# Altium PCB Lighting_Control_Board.PcbDoc (part 1 of 2) (continued)
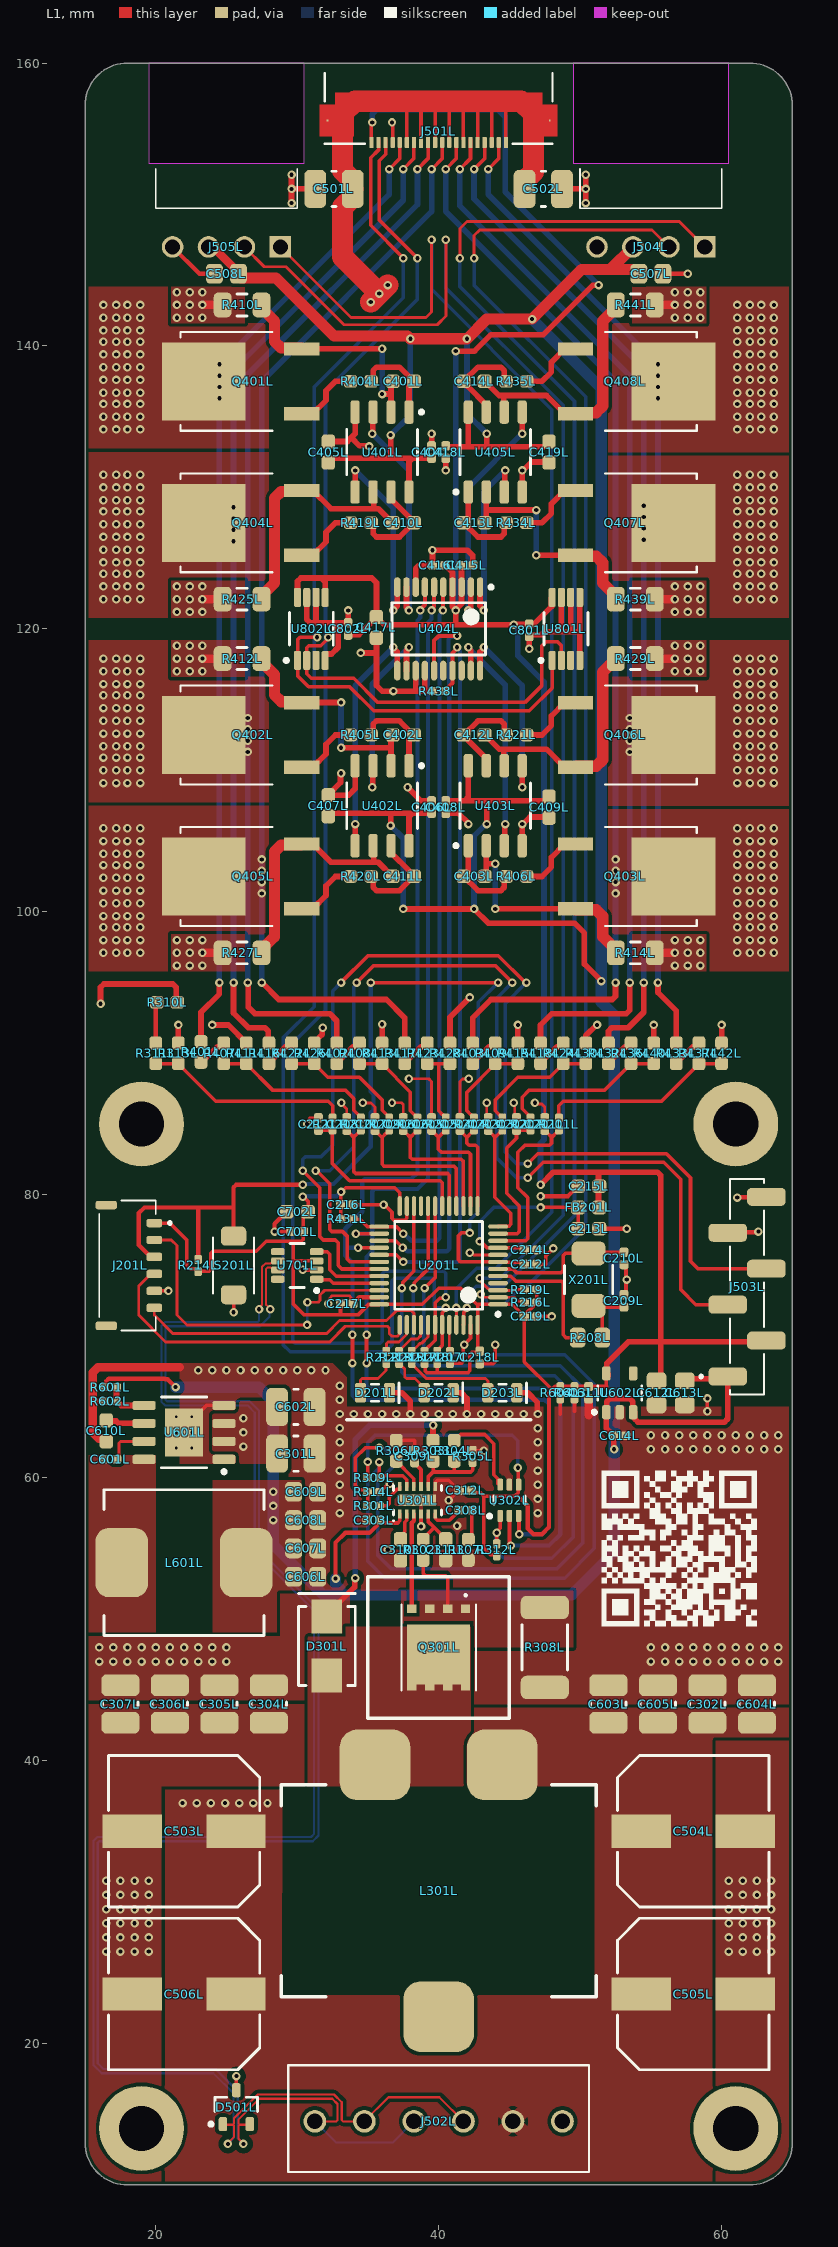
[diagram p0: L1 view]
## Components (designator, comment, footprint, x,y, rotation, side; value= is the part's Value field where it differs from the comment) (continued)
R424L "75k_Res" "0603 Resistor" 48.8,90 r90 top value=75k
R425L "1_Res" "1206 RESISTOR" 26.1,122.1 r0 top locked value=1
R426L "75k_Res" "0603 Resistor" 31.2,90 r270 top value=75k
R427L "1_Res" "1206 RESISTOR" 26.1,97.1 r0 top locked value=1
R428L "75k_Res" "0603 Resistor" 40.8,90 r270 top value=75k
R429L "1_Res" "1206 RESISTOR" 53.9,117.9 r180 top locked value=1
R430L "75k_Res" "0603 Resistor" 50.4,90 r270 top value=75k
R431L "10k Res" "0402 Resistor" 33.5,78.3 r180 top value=10K
R432L "75k_Res" "0603 Resistor" 52,90 r90 top value=75k
R433L "75k_Res" "0603 Resistor" 56.8,90 r90 top value=75k
R434L "47_Res" "0603 RESISTOR" 45.5,127.5 r0 top locked value=47
R435L "47_Res" "0603 RESISTOR" 45.5,137.5 r0 top locked value=47
R436L "75k_Res" "0603 Resistor" 53.6,90 r90 top value=75k
R437L "75k_Res" "0603 Resistor" 58.4,90 r90 top value=75k
R438L "10k Res" "0402 RESISTOR" 40,115.6 r0 top locked value=10K
R439L "1_Res" "1206 RESISTOR" 53.9,122.1 r180 top locked value=1
R440L "75k_Res" "0603 Resistor" 55.2,90 r270 top value=75k
R441L "1_Res" "1206 RESISTOR" 53.9,142.9 r180 top locked value=1
R442L "75k_Res" "0603 Resistor" 60,90 r270 top value=75k
R601L "10k Res" "0402 RESISTOR" 16.8,66.4 r180 top value=10K
R602L "2.49k Res" "0402 RESISTOR" 16.8,65.4 r0 top value=2.49K
R603L "1k Res" "0402 Resistor" 49.6,66 r90 top value=1k
R604L "1k Res" "0402 Resistor" 48.6,66 r90 top value=1k
S201L "TS-1088-AR02016" "TS-1088-AR02016 PUSHBUTTON" 25.5,75 r270 top
U201L "STM32F103C8T6" "LQFP48 (STM32F103C8T6)" 40,75 r180 top locked
U301L "LM5155DSSR" "WSON12 (LM5155DSSR)" 38.5,58.4 r90 top
U302L "DAC7311IDCKR" "SOT-363-6 (DAC7311IDCKR)" 45,58.4 r90 top
U401L "OPA2188AIDR" "SOIC8 (OPA2188AIDR)" 36,132.5 r270 top locked
U402L "OPA2188AIDR" "SOIC8 (OPA2188AIDR)" 36,107.5 r270 top locked
U403L "OPA2188AIDR" "SOIC8 (OPA2188AIDR)" 44,107.5 r90 top locked
U404L "AD5672RBRUZ" "TSOP20 (AD5672RBRUZ)" 40,120 r270 top locked
U405L "OPA2188AIDR" "SOIC8 (OPA2188AIDR)" 44,132.5 r90 top locked
U601L "LMR36520FADDAR" "SOIC8 WITH THERMAL PAD" 22,63.2 r180 top
U602L "TLV75733PDBVR" SOT23-5 52.8,66 r90 top
U701L "TCAN332" SOT23-8 30,75 r180 top
U801L "LM75BIMMX-3/NOPB" "VSSOP8 (LM75BIMMX-3/NOPB)" 49,120 r90 top
U802L "LM75BIMMX-3/NOPB" "VSSOP8 (LM75BIMMX-3/NOPB)" 31,120 r90 top
X201L "X50328MSB2GI" "5X3.2X1.2MM CRYSTAL" 50.6,74 r90 top

## Footprints (in the part's own frame and the unit in brackets; to place one, negate y for a bottom-side part, rotate by r counter-clockwise, add the part's x,y. Pads: shape width x height; smd on the part's side, far side on the other; paste and mask are expansions set on the pad)
"5X3.2X1.2MM CRYSTAL" [mm]
  rrect50% 1.7x2.4 smd: 1(-1.85,0) 2(1.85,0)
  silkscreen extent -1,-1.7 1,1.7, body extent -2.5,-1.6 2.5,1.6, height 0.8
"6 PIN SWD CONNECTOR" [mm]
  rrect50% 0.6x1.1 smd: 1(-3,1.9) 2(-1.8,1.9) 3(-0.6,1.9) 4(0.6,1.9) 5(1.8,1.9) 6(3,1.9)
  rrect50% 0.6x1.5 smd: MP1(-4.27,-1.5) MP2(4.27,-1.5)
  silkscreen extent -4.6,-2 4.6,3.1, body extent -4.6,-2 4.6,2.2, height 2.5
"8X10 CAPACITOR (UUX2A220MNL6GS)" [mm] "Aluminum Electrolytic Capacitor, Body 8.30x8.30x10.50mm, IPC Low Density"
  rect 4.2x2.35 smd: 1(-3.675,0) 2(3.675,0)
  silkscreen extent -5.35,-5.35 5.35,5.35, body extent -5.45,-5.15 5.45,5.15, height 10.3
"11X10MM INDUCTOR" [mm] "Precision Wire Wound Inductor, 2-Leads, Body 11.00x10.00mm, IPC Medium Density"
  rrect50% 3.7x4.9 smd: 1(-4.4,0) 2(4.4,0)
  silkscreen extent -5.65,-5.15 5.65,5.15, body extent -5.5,-5 5.5,5, height 5.4
"0402 CAPACITOR" [mm] "Chip Capacitor, 2-Leads, Body 1.00x0.50mm, IPC Medium Density"
  rrect50% 0.66x0.62 smd: 1(-0.44,0) 2(0.44,0)
  body extent -0.5,-0.25 0.5,0.25, height 0.5
"0402 Capacitor" [mm] "Chip Capacitor, 2-Leads, Body 1.00x0.50mm, IPC Medium Density"
  rrect50% 0.66x0.62 smd: 1(-0.44,0) 2(0.44,0)
  body extent -0.5,-0.25 0.5,0.25, height 0.5
"0402 RESISTOR" [mm] "Chip Resistor, 2-Leads, Body 1.00x0.50mm, IPC Medium Density"
  rrect50% 0.65x0.55 smd: 1(-0.425,0) 2(0.425,0)
  body extent -0.5,-0.25 0.5,0.25, height 0.35
"0402 Resistor" [mm] "Chip Resistor, 2-Leads, Body 1.00x0.50mm, IPC Medium Density"
  rrect50% 0.65x0.55 smd: 1(-0.425,0) 2(0.425,0)
  body extent -0.5,-0.25 0.5,0.25, height 0.35
"0603 CAPACITOR" [mm] "Chip Capacitor, 2-Leads, Body 1.60x0.80mm, IPC Medium Density"
  rrect50% 1x0.95 smd: 1(-0.75,0) 2(0.75,0)
  body extent -0.8,-0.4 0.8,0.4, height 0.8
"0603 FERRITE BEAD" [mm] "Chip Ferrite Bead, 2-Leads, Body 1.60x0.80mm, IPC Medium Density"
  rrect50% 1.02x0.98 smd: 1(-0.74,0) 2(0.74,0)
  body extent -0.8,-0.4 0.8,0.4, height 0.8
"0603 RESISTOR" [mm] "Chip Resistor, 2-Leads, Body 1.60x0.80mm, IPC Medium Density"
  rrect50% 0.95x0.9 smd: 1(-0.725,0) 2(0.725,0)
  body extent -0.8,-0.4 0.8,0.4, height 0.45
"0603 Resistor" [mm] "Chip Resistor, 2-Leads, Body 1.60x0.80mm, IPC Medium Density"
  rrect50% 0.95x0.9 smd: 1(-0.725,0) 2(0.725,0)
  body extent -0.8,-0.4 0.8,0.4, height 0.45
"0805 CAPACITOR" [mm] "Chip Capacitor, 2-Leads, Body 2.00x1.25mm, IPC Medium Density"
  rrect50% 1.2x1.4 smd: 1(-0.85,0) 2(0.85,0)
  body extent -1,-0.63 1,0.63, height 1.25
"0805 Capacitor" [mm] "Chip Capacitor, 2-Leads, Body 2.00x1.25mm, IPC Medium Density"
  rrect50% 1.2x1.4 smd: 1(-0.85,0) 2(0.85,0)
  body extent -1,-0.63 1,0.63, height 1.25
"0805 LED" [mm] "Chip LED. 2-Leads, Body 2.00x1.25mm, IPC Medium Density"
  rrect50% 0.8x1.4 smd: 1(-1.025,0) 2(1.025,0)
  silkscreen extent -0.25,-0.7 1.7,0.7, body extent -1,-0.63 1,0.63, height 0.78
"0805 RESISTOR" [mm] "Chip Resistor, 2-Leads, Body 2.00x1.25mm, IPC Medium Density"
  rrect50% 1.1x1.4 smd: 1(-0.875,0) 2(0.875,0)
  body extent -1,-0.63 1,0.63, height 0.5
"1206 RESISTOR" [mm] "Chip Resistor, 2-Leads, Body 3.10x1.60mm, IPC Medium Density"
  rrect50% 1.25x1.75 smd: 1(-1.375,0) 2(1.375,0)
  silkscreen extent -0.35,-0.77 0.35,0.77, body extent -1.6,-0.8 1.6,0.8, height 0.62
"1210 CAPACITOR" [mm] "Chip Capacitor, 2-Leads, Body 3.20x2.50mm, IPC Medium Density"
  rrect50% 1.55x2.7 smd: 1(-1.325,0) 2(1.325,0)
  silkscreen extent -0.15,-1.25 0.15,1.25, body extent -1.6,-1.25 1.6,1.25, height 1.9
"2512 RESISTOR" [mm] "Chip Resistor, 2-Leads, Body 6.40x3.20mm, IPC Medium Density"
  rrect50% 1.65x3.4 smd: 1(-2.825,0) 2(2.825,0)
  silkscreen extent -1.6,-1.6 1.6,1.6, body extent -3.15,-1.6 3.15,1.6, height 0.66
95293-401A06LF [mm]
  rrect50% 1.27x2.73 smd: 1(-6.35,1.365) 2(-3.81,-1.365) 3(-1.27,1.365) 4(1.27,-1.365) 5(3.81,1.365) 6(6.35,-1.365)
  silkscreen extent -7.62,-1.2 7.62,3.35, body extent -7.62,-2.41 7.62,2.41, height 9.65
22053041 [mil]
  rect 60x60 / inner round 60 / far side rect 60x60 hole 42.13 mask+4.02: 1(-150,0)
  round 60 hole 42.13 mask+4.02: 2(-50,0) 3(50,0) 4(150,0)
  silkscreen extent -197,-217 197,-107, body extent -197,-496 197,13, height 251
0393570006 [mil]
  round 63 hole 43 paste-99999 mask+0: 1(0,0) 2(137.8,0) 3(275.59,0) 4(413.39,0) 5(551.18,0) 6(688.98,0)
  silkscreen extent -74,-141 763,156, body extent -70,-136 760,151, height 335
"527452097 20 PIN FPC" [mm]
  rrect50% 0.3x0.8 smd: 1(-4.75,4.868) 2(-4.25,4.868) 3(-3.75,4.868) 4(-3.25,4.868) 5(-2.75,4.868) 6(-2.25,4.868) 7(-1.75,4.868) 8(-1.25,4.868) 9(-0.75,4.868) 10(-0.25,4.868) 11(0.25,4.868) 12(0.75,4.868) 13(1.25,4.868) 14(1.75,4.868) 15(2.25,4.868) 16(2.75,4.868) 17(3.25,4.868) 18(3.75,4.868) 19(4.25,4.868) 20(4.75,4.868)
  rect 0.127x0.127 smd: P1(-7.85,3.313) P2(7.85,3.313)
  L1 region: 8.396,2.208 7.304,2.208 7.304,1.368 6.009,1.368 6.009,4.418 8.396,4.418
  L1 region: -6.008,1.368 -7.304,1.368 -7.304,2.208 -8.396,2.208 -8.396,4.418 -6.008,4.418
  silkscreen extent -8.05,-0.02 8.05,4.96, body extent -8.05,-0.11 8.05,4.89, height 1.91
"7443632200 Inductor" [mm]
  rrect50% 5x5 smd: 1(-4.5,-8.9) 2(4.5,-8.9) 3(0,8.9)
  silkscreen extent -11.13,-7.5 11.12,7.5, body extent -10.75,-10.6 10.75,10.4, height 14
CSD19531Q5A [mm]
  rect 0.63x0.65 smd paste-0.1 mask-0.33: 1(-2.735,1.905) 2(-2.735,0.635) 3(-2.735,-0.635) 4(-2.735,-1.905) 5(2.735,-1.905) 6(2.735,-0.635) 7(2.735,0.635) 8(2.735,1.905)
  rect 4.26x4.46 smd paste-0.1 mask-0.33: 8(0.508,0)
  silkscreen extent -3.76,-2.63 3.03,2.63, body extent -3,-2.55 3,2.55, height 1.05
"DPAK_TO_252AA (IRLR3410TRPBF)" [mil]
  rect 37x98 smd paste+0 mask+0: 1(-90,-209.5) 3(90,-209.5)
  rect 217x233 smd paste+0 mask+0: 2(0,63)
  silkscreen extent -138,-128 138,128, body extent -133,-244 133,166, height 94
"LQFP48 (STM32F103C8T6)" [mm] "TSQFP, 48-Leads, Body 7.00x7.00mm, Pitch 0.50mm, IPC Medium Density"
  oval 1.4x0.3 smd: 1(-4.2,2.75) 2(-4.2,2.25) 3(-4.2,1.75) 4(-4.2,1.25) 5(-4.2,0.75) 6(-4.2,0.25) 7(-4.2,-0.25) 8(-4.2,-0.75) 9(-4.2,-1.25) 10(-4.2,-1.75) 11(-4.2,-2.25) 12(-4.2,-2.75) 25(4.2,-2.75) 26(4.2,-2.25) 27(4.2,-1.75) 28(4.2,-1.25) 29(4.2,-0.75) 30(4.2,-0.25) 31(4.2,0.25) 32(4.2,0.75) 33(4.2,1.25) 34(4.2,1.75) 35(4.2,2.25) 36(4.2,2.75)
  oval 0.3x1.4 smd: 13(-2.75,-4.2) 14(-2.25,-4.2) 15(-1.75,-4.2) 16(-1.25,-4.2) 17(-0.75,-4.2) 18(-0.25,-4.2) 19(0.25,-4.2) 20(0.75,-4.2) 21(1.25,-4.2) 22(1.75,-4.2) 23(2.25,-4.2) 24(2.75,-4.2) 37(2.75,4.2) 38(2.25,4.2) 39(1.75,4.2) 40(1.25,4.2) 41(0.75,4.2) 42(0.25,4.2) 43(-0.25,4.2) 44(-0.75,4.2) 45(-1.25,4.2) 46(-1.75,4.2) 47(-2.25,4.2) 48(-2.75,4.2)
  silkscreen extent -4.33,-3.1 3.1,3.57, body extent -4.6,-4.6 4.6,4.6, height 1.6
"SMB DIODE (STPS3150U)" [mm] "Molded Diode, 2-Leads, Body 5.35x3.63mm, IPC Medium Density"
  rect 2.4x2.15 smd: 1(-2.1,0) 2(2.1,0)
  silkscreen extent -3.7,-2 2.8,2, body extent -2.68,-1.81 2.68,1.81, height 2.65
"SOIC8 (OPA2188AIDR)" [mm] "SOIC, 8-Leads, Body 4.90x3.90mm, Pitch 1.27mm IPC Low Density"
  rrect50% 1.65x0.65 smd: 1(-2.825,1.905) 2(-2.825,0.635) 3(-2.825,-0.635) 4(-2.825,-1.905) 5(2.825,-1.905) 6(2.825,-0.635) 7(2.825,0.635) 8(2.825,1.905)
  silkscreen extent -2.95,-2.5 1.6,2.91, body extent -3.01,-2.45 3.01,2.45, height 1.7
"SOIC8 WITH THERMAL PAD" [mm] "SOIC, 8-Leads, Body 4.90x3.90mm, Pitch 1.27mm, Thermal Pad 3.40x2.71mm, IPC Low Density"
  rrect50% 1.65x0.65 smd: 1(-2.825,1.905) 2(-2.825,0.635) 3(-2.825,-0.635) 4(-2.825,-1.905) 5(2.825,-1.905) 6(2.825,-0.635) 7(2.825,0.635) 8(2.825,1.905)
  rect 2.71x3.4 smd: 9(0,0)
  silkscreen extent -2.95,-2.5 1.6,2.9, body extent -3.01,-2.45 3.01,2.45, height 1.7
SOT23-3 [mm] "SOT23, 3-Leads, Body 2.00x2.10mm, Pitch 0.65mm, IPC Medium Density"
  rrect50% 1x0.6 smd: 1(-1.2,0.95) 2(-1.2,-0.95) 3(1.2,0)
  silkscreen extent -1.32,-1.5 0.7,1.92, body extent -1.25,-1.5 1.25,1.5, height 1.1
SOT23-5 [mm] "SOT23, 5-Leads, Body 2.90x2.80mm, Pitch 0.95mm, IPC Medium Density"
  rrect50% 1x0.6 smd: 1(-1.375,0.95) 2(-1.375,0) 3(-1.375,-0.95) 4(1.375,-0.95) 5(1.375,0.95)
  silkscreen extent -1.5,-1.55 0.5,1.92, body extent -1.25,-1.5 1.25,1.5, height 1.1
SOT23-8 [mm]
  rrect50% 0.95x0.5 smd mask+0.102: 1(-1.375,0.975) 2(-1.375,0.325) 3(-1.375,-0.325) 4(-1.375,-0.975) 5(1.375,-0.975) 6(1.375,-0.325) 7(1.375,0.325) 8(1.375,0.975)
  silkscreen extent -1.5,-1.55 0.5,1.9, body extent -1.25,-1.5 1.25,1.5, height 1.1
"SOT-363-6 (DAC7311IDCKR)" [mm] "SOT23, 6-Leads, Body 2.00x2.10mm, Pitch 0.65mm, IPC Medium Density"
  rrect50% 0.85x0.4 smd: 1(-1.1,0.65) 2(-1.1,0) 3(-1.1,-0.65) 4(1.1,-0.65) 5(1.1,0) 6(1.1,0.65)
  silkscreen extent -1.25,-1.1 0.3,1.52, body extent -1.05,-1 1.05,1, height 1.1
"TS-1088-AR02016 PUSHBUTTON" [mm]
  rrect50% 1.35x1.8 smd: 1(-2.075,0) 2(2.075,0)
  silkscreen extent -2,-1.45 2,1.45, body extent -2.4,-1.45 2.4,1.45, height 2
"TSOP20 (AD5672RBRUZ)" [mm] "TSOP, 20-Leads, Body 6.50x4.40mm, Pitch 0.65mm, IPC Medium Density"
  oval 1.4x0.45 smd: 1(-2.95,2.925) 2(-2.95,2.275) 3(-2.95,1.625) 4(-2.95,0.975) 5(-2.95,0.325) 6(-2.95,-0.325) 7(-2.95,-0.975) 8(-2.95,-1.625) 9(-2.95,-2.275) 10(-2.95,-2.925) 11(2.95,-2.925) 12(2.95,-2.275) 13(2.95,-1.625) 14(2.95,-0.975) 15(2.95,-0.325) 16(2.95,0.325) 17(2.95,0.975) 18(2.95,1.625) 19(2.95,2.275) 20(2.95,2.925)
  silkscreen extent -3.07,-3.3 1.85,3.83, body extent -3.2,-3.3 3.2,3.3, height 1.2
"VSSOP8 (LM75BIMMX-3/NOPB)" [mm] "TSOP, 8-Leads, Body 3.00x3.00mm, Pitch 0.65mm, IPC Medium Density"
  rrect50% 1.35x0.5 smd mask+0.102: 1(-2.225,0.975) 2(-2.225,0.325) 3(-2.225,-0.325) 4(-2.225,-0.975) 5(2.225,-0.975) 6(2.225,-0.325) 7(2.225,0.325) 8(2.225,0.975)
  silkscreen extent -2.35,-1.55 1.15,1.9, body extent -2.45,-1.5 2.45,1.5, height 1.1
"WSON12 (LM5155DSSR)" [mm] "SON, 12-Leads, Body 3.00x2.00mm, Pitch 0.50mm, Thermal Pad 2.65x0.79mm, IPC Medium Density"
  rect 0.65x0.25 smd: 1(-0.97,1.25) 2(-0.97,0.75) 3(-0.97,0.25) 4(-0.97,-0.25) 5(-0.97,-0.75) 6(-0.97,-1.25) 7(0.97,-1.25) 8(0.97,-0.75) 9(0.97,-0.25) 10(0.97,0.25) 11(0.97,0.75) 12(0.97,1.25)
  rect 0.79x2.65 smd: 13(0,0)
  silkscreen extent -1.5,-1.7 1.05,1.75, body extent -1,-1.5 1,1.5, height 0.8

## Part data
C201L C202L C203L C204L C205L C206L C207L C208L C211L C212L C214L C216L C217L C218L C219L C303L C308L C309L C312L C404L C406L C408L C415L C416L C418L C601L C611L C614L C701L C801L C802L: "16V 100nF X7R ±10% 0402 Multilayer Ceramic Capacitors MLCC - SMD/SMT ROHS", Manufacturer="Samsung Electro-Mechanics", Manufacturer Part Number=CL05B104KO5NNNC, Supplier Part Number=C1525, ComponentLink1Description=https://datasheet.octopart.com:443/CL05B104KO5NNNC-Samsung-Electro-Mechanics-datasheet-181960518.pdf?src-supplier=IHS, ComponentLink1URL=https://datasheet.octopart.com:443/CL05B104KO5NNNC-Samsung-Electro-Mechanics-datasheet-181960518.pdf?src-supplier=IHS, ComponentLink2Description=https://datasheet.octopart.com:443/CL05B104KO5NNNC-Samsung-Electro-Mechanics-datasheet-81461623.pdf?src-supplier=Upverter, ComponentLink2URL=https://datasheet.octopart.com:443/CL05B104KO5NNNC-Samsung-Electro-Mechanics-datasheet-81461623.pdf?src-supplier=Upverter, ComponentLink3Description=https://datasheet.octopart.com/CL05B104KO5NNNC-Samsung-Electro-Mechanics-datasheet-8324245.pdf, ComponentLink3URL=https://datasheet.octopart.com/CL05B104KO5NNNC-Samsung-Electro-Mechanics-datasheet-8324245.pdf, ComponentLink4Description=https://datasheet.octopart.com/CL05B104KO5NNNC-Samsung-Electro-Mechanics-datasheet-97040617.pdf, ComponentLink4URL=https://datasheet.octopart.com/CL05B104KO5NNNC-Samsung-Electro-Mechanics-datasheet-97040617.pdf, ComponentLink5Description=https://datasheet.octopart.com/General-Multilayer-Ceramic-Capacitors-Samsung-datasheet-family-111.pdf, ComponentLink5URL=https://datasheet.octopart.com/General-Multilayer-Ceramic-Capacitors-Samsung-datasheet-family-111.pdf, ComponentLink6Description=https://datasheet.octopart.com:443/CL05B104KO5NNNC-Samsung-Electro-Mechanics-datasheet-141346863.pdf?src-supplier=Samsung+SCT, ComponentLink6URL=https://datasheet.octopart.com:443/CL05B104KO5NNNC-Samsung-Electro-Mechanics-datasheet-141346863.pdf?src-supplier=Samsung+SCT, ComponentLink7Description=https://datasheet.octopart.com:443/CL05B104KO5NNNC-Samsung-datasheet-151956582.pdf?src-supplier=SOS+electronic, ComponentLink7URL=https://datasheet.octopart.com:443/CL05B104KO5NNNC-Samsung-datasheet-151956582.pdf?src-supplier=SOS+electronic, ComponentLink8Description=https://datasheet.octopart.com:443/CL05B104KO5NNNC-Samsung-datasheet-42485123.pdf?src-supplier=Future+Electronics, ComponentLink8URL=https://datasheet.octopart.com:443/CL05B104KO5NNNC-Samsung-datasheet-42485123.pdf?src-supplier=Future+Electronics, ComponentLink9Description=https://datasheet.octopart.com:443/CL05B104KO5NNNC-Samsung-datasheet-34153835.pdf?src-supplier=Future+Electronics, ComponentLink9URL=https://datasheet.octopart.com:443/CL05B104KO5NNNC-Samsung-datasheet-34153835.pdf?src-supplier=Future+Electronics, ComponentLink10Description=https://datasheet.octopart.com:443/CL05B104KO5NNNC-Samsung-datasheet-26589024.pdf?src-supplier=Future+Electronics, ComponentLink10URL=https://datasheet.octopart.com:443/CL05B104KO5NNNC-Samsung-datasheet-26589024.pdf?src-supplier=Future+Electronics, ComponentLink11Description=https://datasheet.octopart.com:443/CL05B104KO5NNNC-Samsung-Electro-Mechanics-datasheet-149136714.pdf?src-supplier=Future+Electronics, ComponentLink11URL=https://datasheet.octopart.com:443/CL05B104KO5NNNC-Samsung-Electro-Mechanics-datasheet-149136714.pdf?src-supplier=Future+Electronics, ComponentLink12Description=https://datasheet.octopart.com:443/CL05B104KO5NNNC-Samsung-datasheet-59220082.pdf?src-supplier=TME, ComponentLink12URL=https://datasheet.octopart.com:443/CL05B104KO5NNNC-Samsung-datasheet-59220082.pdf?src-supplier=TME, ComponentLink13Description=http://sigma.octopart.com:80/rohs_certificate/General-Multilayer-Ceramic-Capacitors-Samsung-family-110.pdf?src-supplier=Compliance+Statements, ComponentLink13URL=http://sigma.octopart.com:80/rohs_certificate/General-Multilayer-Ceramic-Capacitors-Samsung-family-110.pdf?src-supplier=Compliance+Statements, ComponentLink14Description=http://sigma.octopart.com:80/rohs_statement/General-Multilayer-Ceramic-Capacitors-Samsung-family-132.pdf?src-supplier=Compliance+Statements, ComponentLink14URL=http://sigma.octopart.com:80/rohs_statement/General-Multilayer-Ceramic-Capacitors-Samsung-family-132.pdf?src-supplier=Compliance+Statements, ComponentLink15Description=http://sigma.octopart.com:80/reach_statement/General-Multilayer-Ceramic-Capacitors-Samsung-family-133.pdf?src-supplier=Compliance+Statements, ComponentLink15URL=http://sigma.octopart.com:80/reach_statement/General-Multilayer-Ceramic-Capacitors-Samsung-family-133.pdf?src-supplier=Compliance+Statements, Supplier=LCSC
C209L C210L: "50V 10pF C0G ±5% 0402 Multilayer Ceramic Capacitors MLCC - SMD/SMT ROHS", Manufacturer="Samsung Electro-Mechanics", Manufacturer Part Number=CL10C100JB8NNNC, Supplier Part Number=C1634, ComponentLink1Description=https://datasheet.octopart.com:443/CL10C100JB8NNNC-Samsung-Electro-Mechanics-datasheet-136482388.pdf?src-supplier=IHS, ComponentLink1URL=https://datasheet.octopart.com:443/CL10C100JB8NNNC-Samsung-Electro-Mechanics-datasheet-136482388.pdf?src-supplier=IHS, ComponentLink2Description=https://datasheet.octopart.com/CL10C100JB8NNNC-Samsung-Electro-Mechanics-datasheet-8324245.pdf, ComponentLink2URL=https://datasheet.octopart.com/CL10C100JB8NNNC-Samsung-Electro-Mechanics-datasheet-8324245.pdf, ComponentLink3Description=https://datasheet.octopart.com/CL10C100JB8NNNC-Samsung-Electro-Mechanics-datasheet-97040617.pdf, ComponentLink3URL=https://datasheet.octopart.com/CL10C100JB8NNNC-Samsung-Electro-Mechanics-datasheet-97040617.pdf, ComponentLink4Description=https://datasheet.octopart.com:443/CL10C100JB8NNNC-Samsung-Electro-Mechanics-datasheet-110326840.pdf?src-supplier=Future+Electronics, ComponentLink4URL=https://datasheet.octopart.com:443/CL10C100JB8NNNC-Samsung-Electro-Mechanics-datasheet-110326840.pdf?src-supplier=Future+Electronics, ComponentLink5Description=https://datasheet.octopart.com:443/CL10C100JB8NNNC-Samsung-Electro-Mechanics-datasheet-81461966.pdf?src-supplier=Future+Electronics, ComponentLink5URL=https://datasheet.octopart.com:443/CL10C100JB8NNNC-Samsung-Electro-Mechanics-datasheet-81461966.pdf?src-supplier=Future+Electronics, ComponentLink6Description=https://datasheet.octopart.com:443/CL10C100JB8NNNC-Samsung-datasheet-48647327.pdf?src-supplier=Future+Electronics, ComponentLink6URL=https://datasheet.octopart.com:443/CL10C100JB8NNNC-Samsung-datasheet-48647327.pdf?src-supplier=Future+Electronics, ComponentLink7Description=https://datasheet.octopart.com:443/CL10C100JB8NNNC-Samsung-datasheet-26669107.pdf?src-supplier=Future+Electronics, ComponentLink7URL=https://datasheet.octopart.com:443/CL10C100JB8NNNC-Samsung-datasheet-26669107.pdf?src-supplier=Future+Electronics, ComponentLink8Description=https://datasheet.octopart.com:443/CL10C100JB8NNNC-Samsung-Electro-Mechanics-datasheet-149154128.pdf?src-supplier=Future+Electronics, ComponentLink8URL=https://datasheet.octopart.com:443/CL10C100JB8NNNC-Samsung-Electro-Mechanics-datasheet-149154128.pdf?src-supplier=Future+Electronics, ComponentLink9Description=https://datasheet.octopart.com:443/CL10C100JB8NNNC-Samsung-datasheet-8326407.pdf?src-supplier=TME, ComponentLink9URL=https://datasheet.octopart.com:443/CL10C100JB8NNNC-Samsung-datasheet-8326407.pdf?src-supplier=TME, ComponentLink10Description=https://datasheet.octopart.com:443/CL05C100JB5NNNC-Samsung-Electro-Mechanics-datasheet-136482242.pdf?src-supplier=IHS, ComponentLink10URL=https://datasheet.octopart.com:443/CL05C100JB5NNNC-Samsung-Electro-Mechanics-datasheet-136482242.pdf?src-supplier=IHS, ComponentLink11Description=https://datasheet.octopart.com:443/CL05C100JB5NNNC-Samsung-Electro-Mechanics-datasheet-11758155.pdf?src-supplier=Future+Electronics, ComponentLink11URL=https://datasheet.octopart.com:443/CL05C100JB5NNNC-Samsung-Electro-Mechanics-datasheet-11758155.pdf?src-supplier=Future+Electronics, ComponentLink12Description=https://datasheet.octopart.com:443/CL05C100JB5NNNC-Samsung-Electro-Mechanics-datasheet-110226242.pdf?src-supplier=Future+Electronics, ComponentLink12URL=https://datasheet.octopart.com:443/CL05C100JB5NNNC-Samsung-Electro-Mechanics-datasheet-110226242.pdf?src-supplier=Future+Electronics, ComponentLink13Description=https://datasheet.octopart.com:443/CL05C100JB5NNNC-Samsung-Electro-Mechanics-datasheet-81461703.pdf?src-supplier=Future+Electronics, ComponentLink13URL=https://datasheet.octopart.com:443/CL05C100JB5NNNC-Samsung-Electro-Mechanics-datasheet-81461703.pdf?src-supplier=Future+Electronics, ComponentLink14Description=https://datasheet.octopart.com:443/CL05C100JB5NNNC-Samsung-datasheet-12525757.pdf?src-supplier=Future+Electronics, ComponentLink14URL=https://datasheet.octopart.com:443/CL05C100JB5NNNC-Samsung-datasheet-12525757.pdf?src-supplier=Future+Electronics, ComponentLink15Description=https://datasheet.octopart.com:443/CL05C100JB5NNNC-Samsung-Electro-Mechanics-datasheet-149136756.pdf?src-supplier=Future+Electronics, ComponentLink15URL=https://datasheet.octopart.com:443/CL05C100JB5NNNC-Samsung-Electro-Mechanics-datasheet-149136756.pdf?src-supplier=Future+Electronics, ComponentLink16Description=https://datasheet.octopart.com:443/CL05C100JB5NNNC-Samsung-datasheet-37081328.pdf?src-supplier=Future+Electronics, ComponentLink16URL=https://datasheet.octopart.com:443/CL05C100JB5NNNC-Samsung-datasheet-37081328.pdf?src-supplier=Future+Electronics, ComponentLink17Description=https://datasheet.octopart.com/CL05C100JB5NNNC-Samsung-Electro-Mechanics-datasheet-97040617.pdf, ComponentLink17URL=https://datasheet.octopart.com/CL05C100JB5NNNC-Samsung-Electro-Mechanics-datasheet-97040617.pdf, ComponentLink18Description=https://datasheet.octopart.com/CL05C100JB5NNNC-Samsung-Electro-Mechanics-datasheet-8324245.pdf, ComponentLink18URL=https://datasheet.octopart.com/CL05C100JB5NNNC-Samsung-Electro-Mechanics-datasheet-8324245.pdf, ComponentLink19Description=https://datasheet.octopart.com:443/CL05C100JB5NNNC-Samsung-datasheet-59220082.pdf?src-supplier=TME, ComponentLink19URL=https://datasheet.octopart.com:443/CL05C100JB5NNNC-Samsung-datasheet-59220082.pdf?src-supplier=TME, Supplier=LCSC
C213L C215L C310L C405L C407L C409L C417L C419L C610L C702L: "16V 2.2uF X5R ±10% 0603 Multilayer Ceramic Capacitors MLCC - SMD/SMT ROHS", Manufacturer="Samsung Electro-Mechanics", Manufacturer Part Number=CL10A225KO8NNNC, Supplier Part Number=C23630, ComponentLink1Description=https://datasheet.octopart.com:443/CL10A225KO8NNNC-Samsung-Electro-Mechanics-datasheet-136031763.pdf?src-supplier=IHS, ComponentLink1URL=https://datasheet.octopart.com:443/CL10A225KO8NNNC-Samsung-Electro-Mechanics-datasheet-136031763.pdf?src-supplier=IHS, ComponentLink2Description=https://datasheet.octopart.com/CL10A225KO8NNNC-Samsung-Electro-Mechanics-datasheet-8324245.pdf, ComponentLink2URL=https://datasheet.octopart.com/CL10A225KO8NNNC-Samsung-Electro-Mechanics-datasheet-8324245.pdf, ComponentLink3Description=https://datasheet.octopart.com/CL10A225KO8NNNC-Samsung-Electro-Mechanics-datasheet-97040617.pdf, ComponentLink3URL=https://datasheet.octopart.com/CL10A225KO8NNNC-Samsung-Electro-Mechanics-datasheet-97040617.pdf, ComponentLink4Description=https://datasheet.octopart.com/General-Multilayer-Ceramic-Capacitors-Samsung-datasheet-family-111.pdf, ComponentLink4URL=https://datasheet.octopart.com/General-Multilayer-Ceramic-Capacitors-Samsung-datasheet-family-111.pdf, ComponentLink5Description=https://datasheet.octopart.com:443/CL10A225KO8NNNC-Samsung-Electro-Mechanics-datasheet-110326828.pdf?src-supplier=Future+Electronics, ComponentLink5URL=https://datasheet.octopart.com:443/CL10A225KO8NNNC-Samsung-Electro-Mechanics-datasheet-110326828.pdf?src-supplier=Future+Electronics, ComponentLink6Description=https://datasheet.octopart.com:443/CL10A225KO8NNNC-Samsung-Electro-Mechanics-datasheet-81461797.pdf?src-supplier=Future+Electronics, ComponentLink6URL=https://datasheet.octopart.com:443/CL10A225KO8NNNC-Samsung-Electro-Mechanics-datasheet-81461797.pdf?src-supplier=Future+Electronics, ComponentLink7Description=https://datasheet.octopart.com:443/CL10A225KO8NNNC-Samsung-datasheet-48647245.pdf?src-supplier=Future+Electronics, ComponentLink7URL=https://datasheet.octopart.com:443/CL10A225KO8NNNC-Samsung-datasheet-48647245.pdf?src-supplier=Future+Electronics, ComponentLink8Description=https://datasheet.octopart.com:443/CL10A225KO8NNNC-Samsung-datasheet-26589124.pdf?src-supplier=Future+Electronics, ComponentLink8URL=https://datasheet.octopart.com:443/CL10A225KO8NNNC-Samsung-datasheet-26589124.pdf?src-supplier=Future+Electronics, ComponentLink9Description=https://datasheet.octopart.com:443/CL10A225KO8NNNC-Samsung-Electro-Mechanics-datasheet-149156492.pdf?src-supplier=Future+Electronics, ComponentLink9URL=https://datasheet.octopart.com:443/CL10A225KO8NNNC-Samsung-Electro-Mechanics-datasheet-149156492.pdf?src-supplier=Future+Electronics, ComponentLink10Description=https://datasheet.octopart.com:443/CL10A225KO8NNNC-Samsung-Electro-Mechanics-datasheet-11768396.pdf?src-supplier=Arrow+Electronics, ComponentLink10URL=https://datasheet.octopart.com:443/CL10A225KO8NNNC-Samsung-Electro-Mechanics-datasheet-11768396.pdf?src-supplier=Arrow+Electronics, ComponentLink11Description=https://datasheet.octopart.com:443/CL10A225KO8NNNC-Samsung-datasheet-59220082.pdf?src-supplier=TME, ComponentLink11URL=https://datasheet.octopart.com:443/CL10A225KO8NNNC-Samsung-datasheet-59220082.pdf?src-supplier=TME, ComponentLink12Description=http://sigma.octopart.com:80/rohs_certificate/General-Multilayer-Ceramic-Capacitors-Samsung-family-110.pdf?src-supplier=Compliance+Statements, ComponentLink12URL=http://sigma.octopart.com:80/rohs_certificate/General-Multilayer-Ceramic-Capacitors-Samsung-family-110.pdf?src-supplier=Compliance+Statements, ComponentLink13Description=http://sigma.octopart.com:80/rohs_statement/General-Multilayer-Ceramic-Capacitors-Samsung-family-132.pdf?src-supplier=Compliance+Statements, ComponentLink13URL=http://sigma.octopart.com:80/rohs_statement/General-Multilayer-Ceramic-Capacitors-Samsung-family-132.pdf?src-supplier=Compliance+Statements, ComponentLink14Description=http://sigma.octopart.com:80/reach_statement/General-Multilayer-Ceramic-Capacitors-Samsung-family-133.pdf?src-supplier=Compliance+Statements, ComponentLink14URL=http://sigma.octopart.com:80/reach_statement/General-Multilayer-Ceramic-Capacitors-Samsung-family-133.pdf?src-supplier=Compliance+Statements, Supplier=LCSC
C301L C302L C304L C305L C306L C307L C501L C502L C602L C603L C604L C605L: "100V 10uF X7S ±10% 1210 Multilayer Ceramic Capacitors MLCC - SMD/SMT ROHS", Manufacturer=Murata, Manufacturer Part Number=GRM32EC72A106KE05L, Supplier Part Number=C576517, ComponentLink1Description=https://datasheet.octopart.com:443/GRM32EC72A106KE05L-Murata-datasheet-141281477.pdf?src-supplier=Geoflip, ComponentLink1URL=https://datasheet.octopart.com:443/GRM32EC72A106KE05L-Murata-datasheet-141281477.pdf?src-supplier=Geoflip, ComponentLink2Description=https://datasheet.octopart.com:443/GRM32EC72A106KE05L-Murata-datasheet-165579666.pdf?src-supplier=TME, ComponentLink2URL=https://datasheet.octopart.com:443/GRM32EC72A106KE05L-Murata-datasheet-165579666.pdf?src-supplier=TME, ComponentLink3Description=https://datasheet.octopart.com:443/GRM32EC72A106KE05L-Murata-datasheet-140709574.pdf?src-supplier=Ciiva, ComponentLink3URL=https://datasheet.octopart.com:443/GRM32EC72A106KE05L-Murata-datasheet-140709574.pdf?src-supplier=Ciiva, ComponentLink4Description=https://datasheet.octopart.com:443/GRM32EC72A106KE05L-Murata-datasheet-138746841.pdf?src-supplier=Ciiva, ComponentLink4URL=https://datasheet.octopart.com:443/GRM32EC72A106KE05L-Murata-datasheet-138746841.pdf?src-supplier=Ciiva, ComponentLink5Description=https://datasheet.octopart.com/GRM32EC72A106KE05L-Murata-datasheet-12515295.pdf, ComponentLink5URL=https://datasheet.octopart.com/GRM32EC72A106KE05L-Murata-datasheet-12515295.pdf, ComponentLink6Description=https://datasheet.octopart.com/GRM32EC72A106KE05L-Murata-datasheet-12510076.pdf, ComponentLink6URL=https://datasheet.octopart.com/GRM32EC72A106KE05L-Murata-datasheet-12510076.pdf, ComponentLink7Description=https://datasheet.octopart.com/GRM32EC72A106KE05L-Murata-datasheet-11978611.pdf, ComponentLink7URL=https://datasheet.octopart.com/GRM32EC72A106KE05L-Murata-datasheet-11978611.pdf, ComponentLink8Description=https://datasheet.octopart.com/GRM32EC72A106KE05L-Murata-datasheet-10025737.pdf, ComponentLink8URL=https://datasheet.octopart.com/GRM32EC72A106KE05L-Murata-datasheet-10025737.pdf, ComponentLink9Description=https://datasheet.octopart.com/GRM32EC72A106KE05L-Murata-datasheet-8819587.pdf, ComponentLink9URL=https://datasheet.octopart.com/GRM32EC72A106KE05L-Murata-datasheet-8819587.pdf, ComponentLink10Description=http://sigma.octopart.com:80/reach_statement/Murata-company-16.pdf?src-supplier=Compliance+Statements, ComponentLink10URL=http://sigma.octopart.com:80/reach_statement/Murata-company-16.pdf?src-supplier=Compliance+Statements, Supplier=LCSC
C311L C401L C402L C403L C410L C411L C412L C413L C414L: "50V 220pF X7R ±10% 0603 Multilayer Ceramic Capacitors MLCC - SMD/SMT ROHS", Manufacturer="Samsung Electro-Mechanics", Manufacturer Part Number=CL10B221KB8NNNC, Supplier Part Number=C1603, ComponentLink1Description=https://datasheet.octopart.com:443/CL10B221KB8NNNC-Samsung-Electro-Mechanics-datasheet-136482329.pdf?src-supplier=IHS, ComponentLink1URL=https://datasheet.octopart.com:443/CL10B221KB8NNNC-Samsung-Electro-Mechanics-datasheet-136482329.pdf?src-supplier=IHS, ComponentLink2Description=https://datasheet.octopart.com/CL10B221KB8NNNC-Samsung-Electro-Mechanics-datasheet-8324245.pdf, ComponentLink2URL=https://datasheet.octopart.com/CL10B221KB8NNNC-Samsung-Electro-Mechanics-datasheet-8324245.pdf, ComponentLink3Description=https://datasheet.octopart.com/CL10B221KB8NNNC-Samsung-Electro-Mechanics-datasheet-97040617.pdf, ComponentLink3URL=https://datasheet.octopart.com/CL10B221KB8NNNC-Samsung-Electro-Mechanics-datasheet-97040617.pdf, ComponentLink4Description=https://datasheet.octopart.com/General-Multilayer-Ceramic-Capacitors-Samsung-datasheet-family-111.pdf, ComponentLink4URL=https://datasheet.octopart.com/General-Multilayer-Ceramic-Capacitors-Samsung-datasheet-family-111.pdf, ComponentLink5Description=https://datasheet.octopart.com:443/CL10B221KB8NNNC-Samsung-Electro-Mechanics-datasheet-116120877.pdf?src-supplier=Future+Electronics, ComponentLink5URL=https://datasheet.octopart.com:443/CL10B221KB8NNNC-Samsung-Electro-Mechanics-datasheet-116120877.pdf?src-supplier=Future+Electronics, ComponentLink6Description=https://datasheet.octopart.com:443/CL10B221KB8NNNC-Samsung-Electro-Mechanics-datasheet-81461868.pdf?src-supplier=Future+Electronics, ComponentLink6URL=https://datasheet.octopart.com:443/CL10B221KB8NNNC-Samsung-Electro-Mechanics-datasheet-81461868.pdf?src-supplier=Future+Electronics, ComponentLink7Description=https://datasheet.octopart.com:443/CL10B221KB8NNNC-Samsung-datasheet-26669033.pdf?src-supplier=Future+Electronics, ComponentLink7URL=https://datasheet.octopart.com:443/CL10B221KB8NNNC-Samsung-datasheet-26669033.pdf?src-supplier=Future+Electronics, ComponentLink8Description=https://datasheet.octopart.com:443/CL10B221KB8NNNC-Samsung-Electro-Mechanics-datasheet-149136815.pdf?src-supplier=Future+Electronics, ComponentLink8URL=https://datasheet.octopart.com:443/CL10B221KB8NNNC-Samsung-Electro-Mechanics-datasheet-149136815.pdf?src-supplier=Future+Electronics, ComponentLink9Description=https://datasheet.octopart.com:443/CL10B221KB8NNNC-Samsung-datasheet-37081328.pdf?src-supplier=Future+Electronics, ComponentLink9URL=https://datasheet.octopart.com:443/CL10B221KB8NNNC-Samsung-datasheet-37081328.pdf?src-supplier=Future+Electronics, ComponentLink10Description=https://datasheet.octopart.com:443/CL10B221KB8NNNC-Samsung-datasheet-8326407.pdf?src-supplier=TME, ComponentLink10URL=https://datasheet.octopart.com:443/CL10B221KB8NNNC-Samsung-datasheet-8326407.pdf?src-supplier=TME, ComponentLink11Description=https://datasheet.octopart.com:443/CL10B221KB8NNNC-Samsung-Electro-Mechanics-datasheet-11541288.pdf?src-supplier=Arrow+Electronics, ComponentLink11URL=https://datasheet.octopart.com:443/CL10B221KB8NNNC-Samsung-Electro-Mechanics-datasheet-11541288.pdf?src-supplier=Arrow+Electronics, ComponentLink12Description=http://sigma.octopart.com:80/rohs_certificate/General-Multilayer-Ceramic-Capacitors-Samsung-family-110.pdf?src-supplier=Compliance+Statements, ComponentLink12URL=http://sigma.octopart.com:80/rohs_certificate/General-Multilayer-Ceramic-Capacitors-Samsung-family-110.pdf?src-supplier=Compliance+Statements, ComponentLink13Description=http://sigma.octopart.com:80/rohs_statement/General-Multilayer-Ceramic-Capacitors-Samsung-family-132.pdf?src-supplier=Compliance+Statements, ComponentLink13URL=http://sigma.octopart.com:80/rohs_statement/General-Multilayer-Ceramic-Capacitors-Samsung-family-132.pdf?src-supplier=Compliance+Statements, ComponentLink14Description=http://sigma.octopart.com:80/reach_statement/General-Multilayer-Ceramic-Capacitors-Samsung-family-133.pdf?src-supplier=Compliance+Statements, ComponentLink14URL=http://sigma.octopart.com:80/reach_statement/General-Multilayer-Ceramic-Capacitors-Samsung-family-133.pdf?src-supplier=Compliance+Statements, Supplier=LCSC
C503L C504L C505L C506L: "-55℃~+105℃ 100V 2000hrs@105℃ 230mA@120Hz 47uF ±20% SMD,D10xL10mm Aluminum Electrolytic Capacitors - SMD ROHS", Manufacturer=Nichicon, Manufacturer Part Number=UUX2A470MNL1GS, Supplier Part Number=C2162873, Supplier=LCSC
C507L C508L C606L C607L C608L C609L C612L C613L: "Multilayer Ceramic Capacitor, 22 uF, 25 V, ± 20%, X5R, 0805 [2012 Metric]", Manufacturer="Samsung Electro-Mechanics", Manufacturer Part Number=CL21A226MAQNNNE, Supplier Part Number=C45783, ComponentLink1Description=https://datasheet.octopart.com:443/CL21A226MAQNNNE-Samsung-Electro-Mechanics-datasheet-182022794.pdf?src-supplier=IHS, ComponentLink1URL=https://datasheet.octopart.com:443/CL21A226MAQNNNE-Samsung-Electro-Mechanics-datasheet-182022794.pdf?src-supplier=IHS, ComponentLink2Description=https://datasheet.octopart.com/CL21A226MAQNNNE-Samsung-Electro-Mechanics-datasheet-97040617.pdf, ComponentLink2URL=https://datasheet.octopart.com/CL21A226MAQNNNE-Samsung-Electro-Mechanics-datasheet-97040617.pdf, ComponentLink3Description=https://datasheet.octopart.com/CL21A226MAQNNNE-Samsung-Electro-Mechanics-datasheet-8324245.pdf, ComponentLink3URL=https://datasheet.octopart.com/CL21A226MAQNNNE-Samsung-Electro-Mechanics-datasheet-8324245.pdf, ComponentLink4Description=https://datasheet.octopart.com:443/CL21A226MAQNNNE-Samsung-Electro-Mechanics-datasheet-87580133.pdf?src-supplier=Future+Electronics, ComponentLink4URL=https://datasheet.octopart.com:443/CL21A226MAQNNNE-Samsung-Electro-Mechanics-datasheet-87580133.pdf?src-supplier=Future+Electronics, ComponentLink5Description=https://datasheet.octopart.com:443/CL21A226MAQNNNE-Samsung-Electro-Mechanics-datasheet-81462139.pdf?src-supplier=Future+Electronics, ComponentLink5URL=https://datasheet.octopart.com:443/CL21A226MAQNNNE-Samsung-Electro-Mechanics-datasheet-81462139.pdf?src-supplier=Future+Electronics, ComponentLink6Description=https://datasheet.octopart.com:443/CL21A226MAQNNNE-Samsung-datasheet-66660282.pdf?src-supplier=Future+Electronics, ComponentLink6URL=https://datasheet.octopart.com:443/CL21A226MAQNNNE-Samsung-datasheet-66660282.pdf?src-supplier=Future+Electronics, ComponentLink7Description=https://datasheet.octopart.com:443/CL21A226MAQNNNE-Samsung-datasheet-48647558.pdf?src-supplier=Future+Electronics, ComponentLink7URL=https://datasheet.octopart.com:443/CL21A226MAQNNNE-Samsung-datasheet-48647558.pdf?src-supplier=Future+Electronics, ComponentLink8Description=https://datasheet.octopart.com:443/CL21A226MAQNNNE-Samsung-datasheet-27135701.pdf?src-supplier=Future+Electronics, ComponentLink8URL=https://datasheet.octopart.com:443/CL21A226MAQNNNE-Samsung-datasheet-27135701.pdf?src-supplier=Future+Electronics, ComponentLink9Description=https://datasheet.octopart.com:443/CL21A226MAQNNNE-Samsung-Electro-Mechanics-datasheet-149154242.pdf?src-supplier=Future+Electronics, ComponentLink9URL=https://datasheet.octopart.com:443/CL21A226MAQNNNE-Samsung-Electro-Mechanics-datasheet-149154242.pdf?src-supplier=Future+Electronics, ComponentLink10Description=https://datasheet.octopart.com:443/CL21A226MAQNNNE-Samsung-datasheet-59220082.pdf?src-supplier=TME, ComponentLink10URL=https://datasheet.octopart.com:443/CL21A226MAQNNNE-Samsung-datasheet-59220082.pdf?src-supplier=TME, Supplier=LCSC